# Altium PCB PCB1.PcbDoc (part 1 of 3)
Units mil, origin at the board's own origin, x right, y up, seen from the top; angles counter-clockwise.
Board outline 9239.32 x 6085 mil, 4 copper layers (Top Layer, GND, Power, Bottom Layer), stack 57.48 mil thick; 233 components, 161 nets, 767 pads, 460 vias.
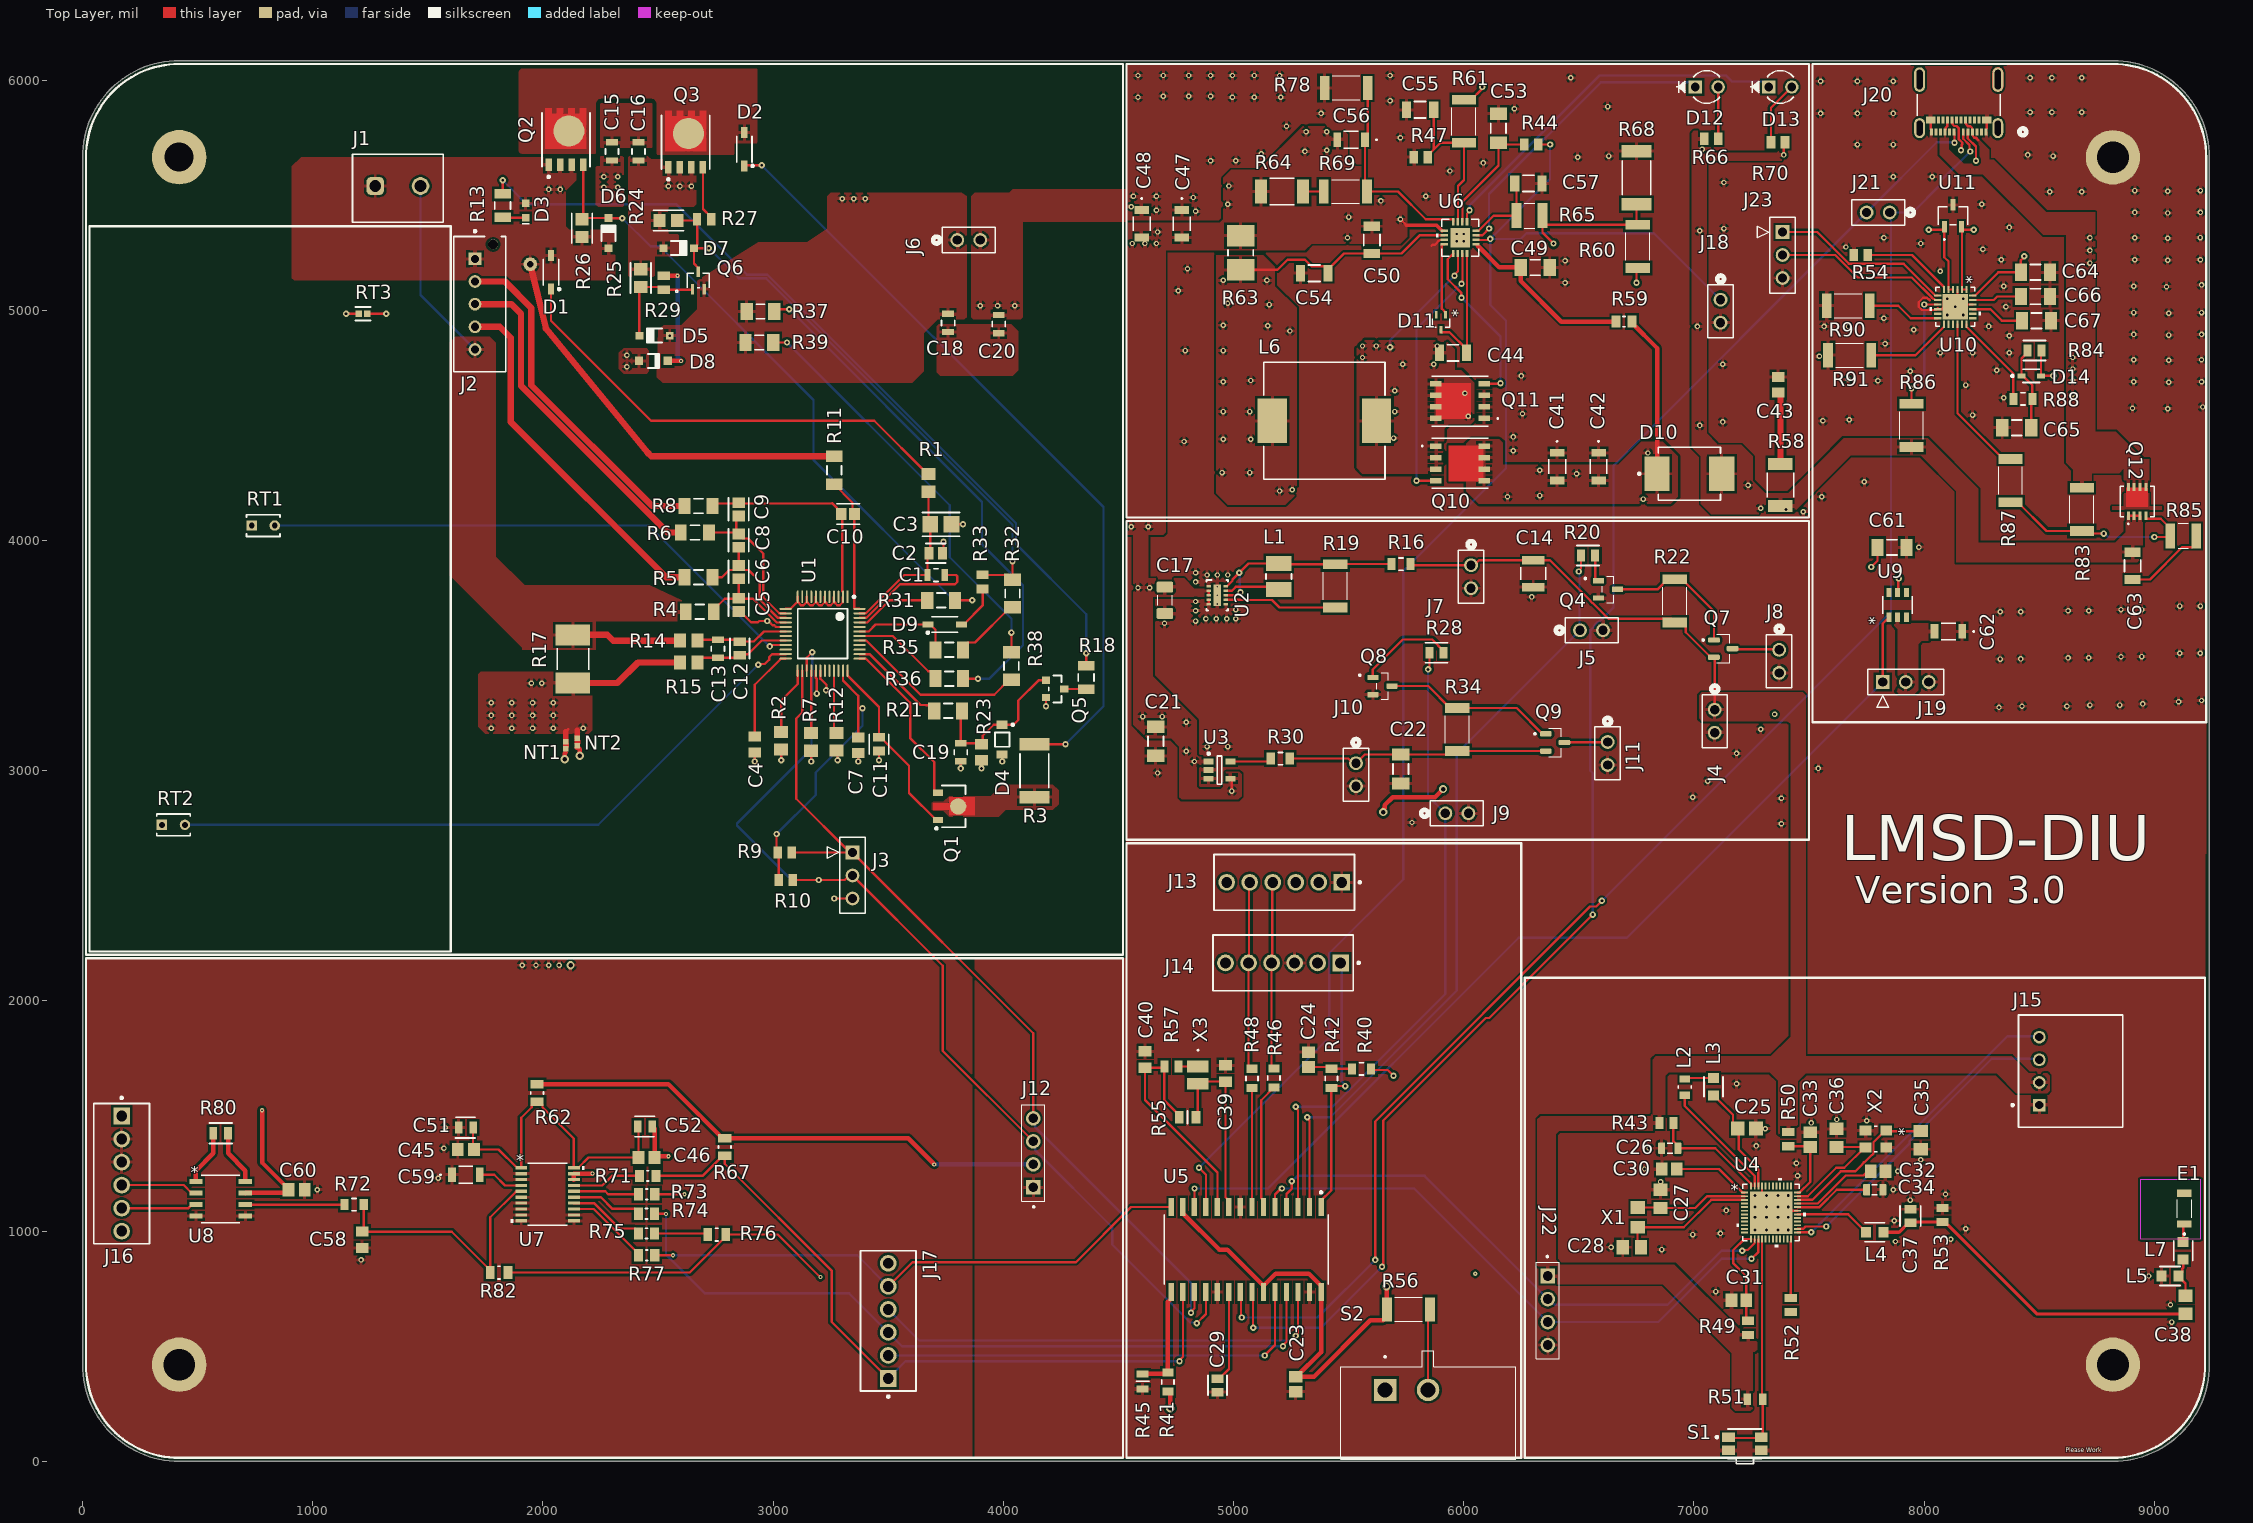
[diagram p0: Top Layer view]
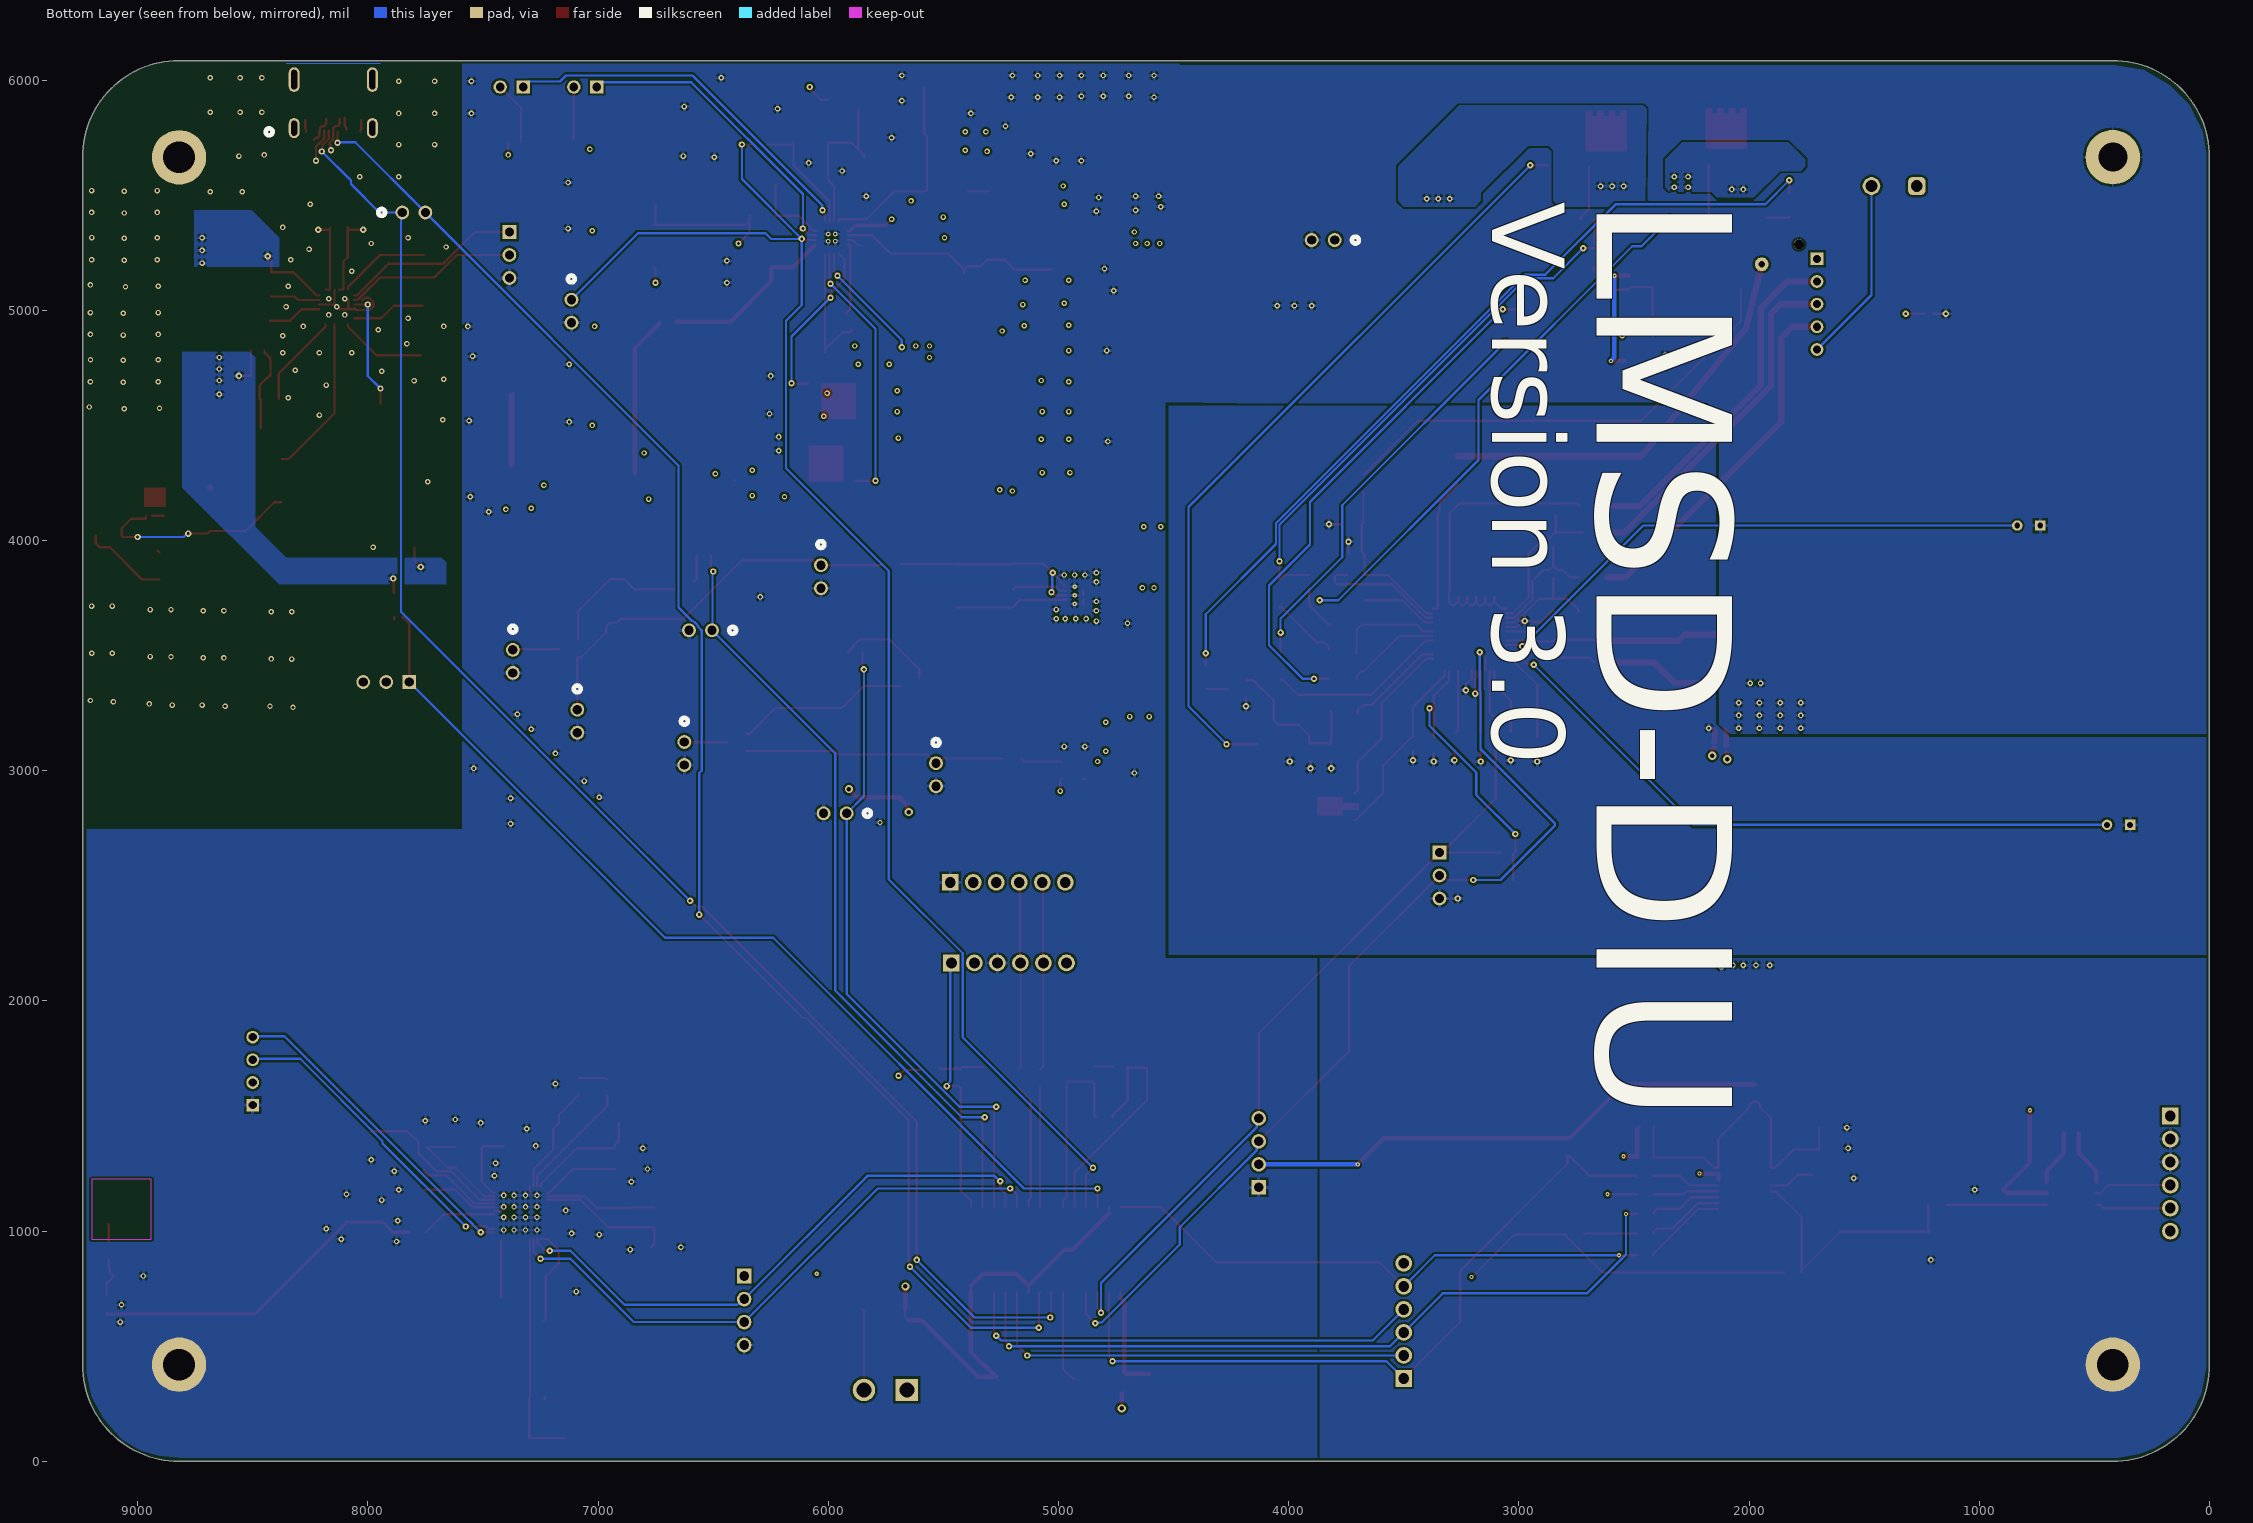
[diagram p1: Bottom Layer view, seen from below]
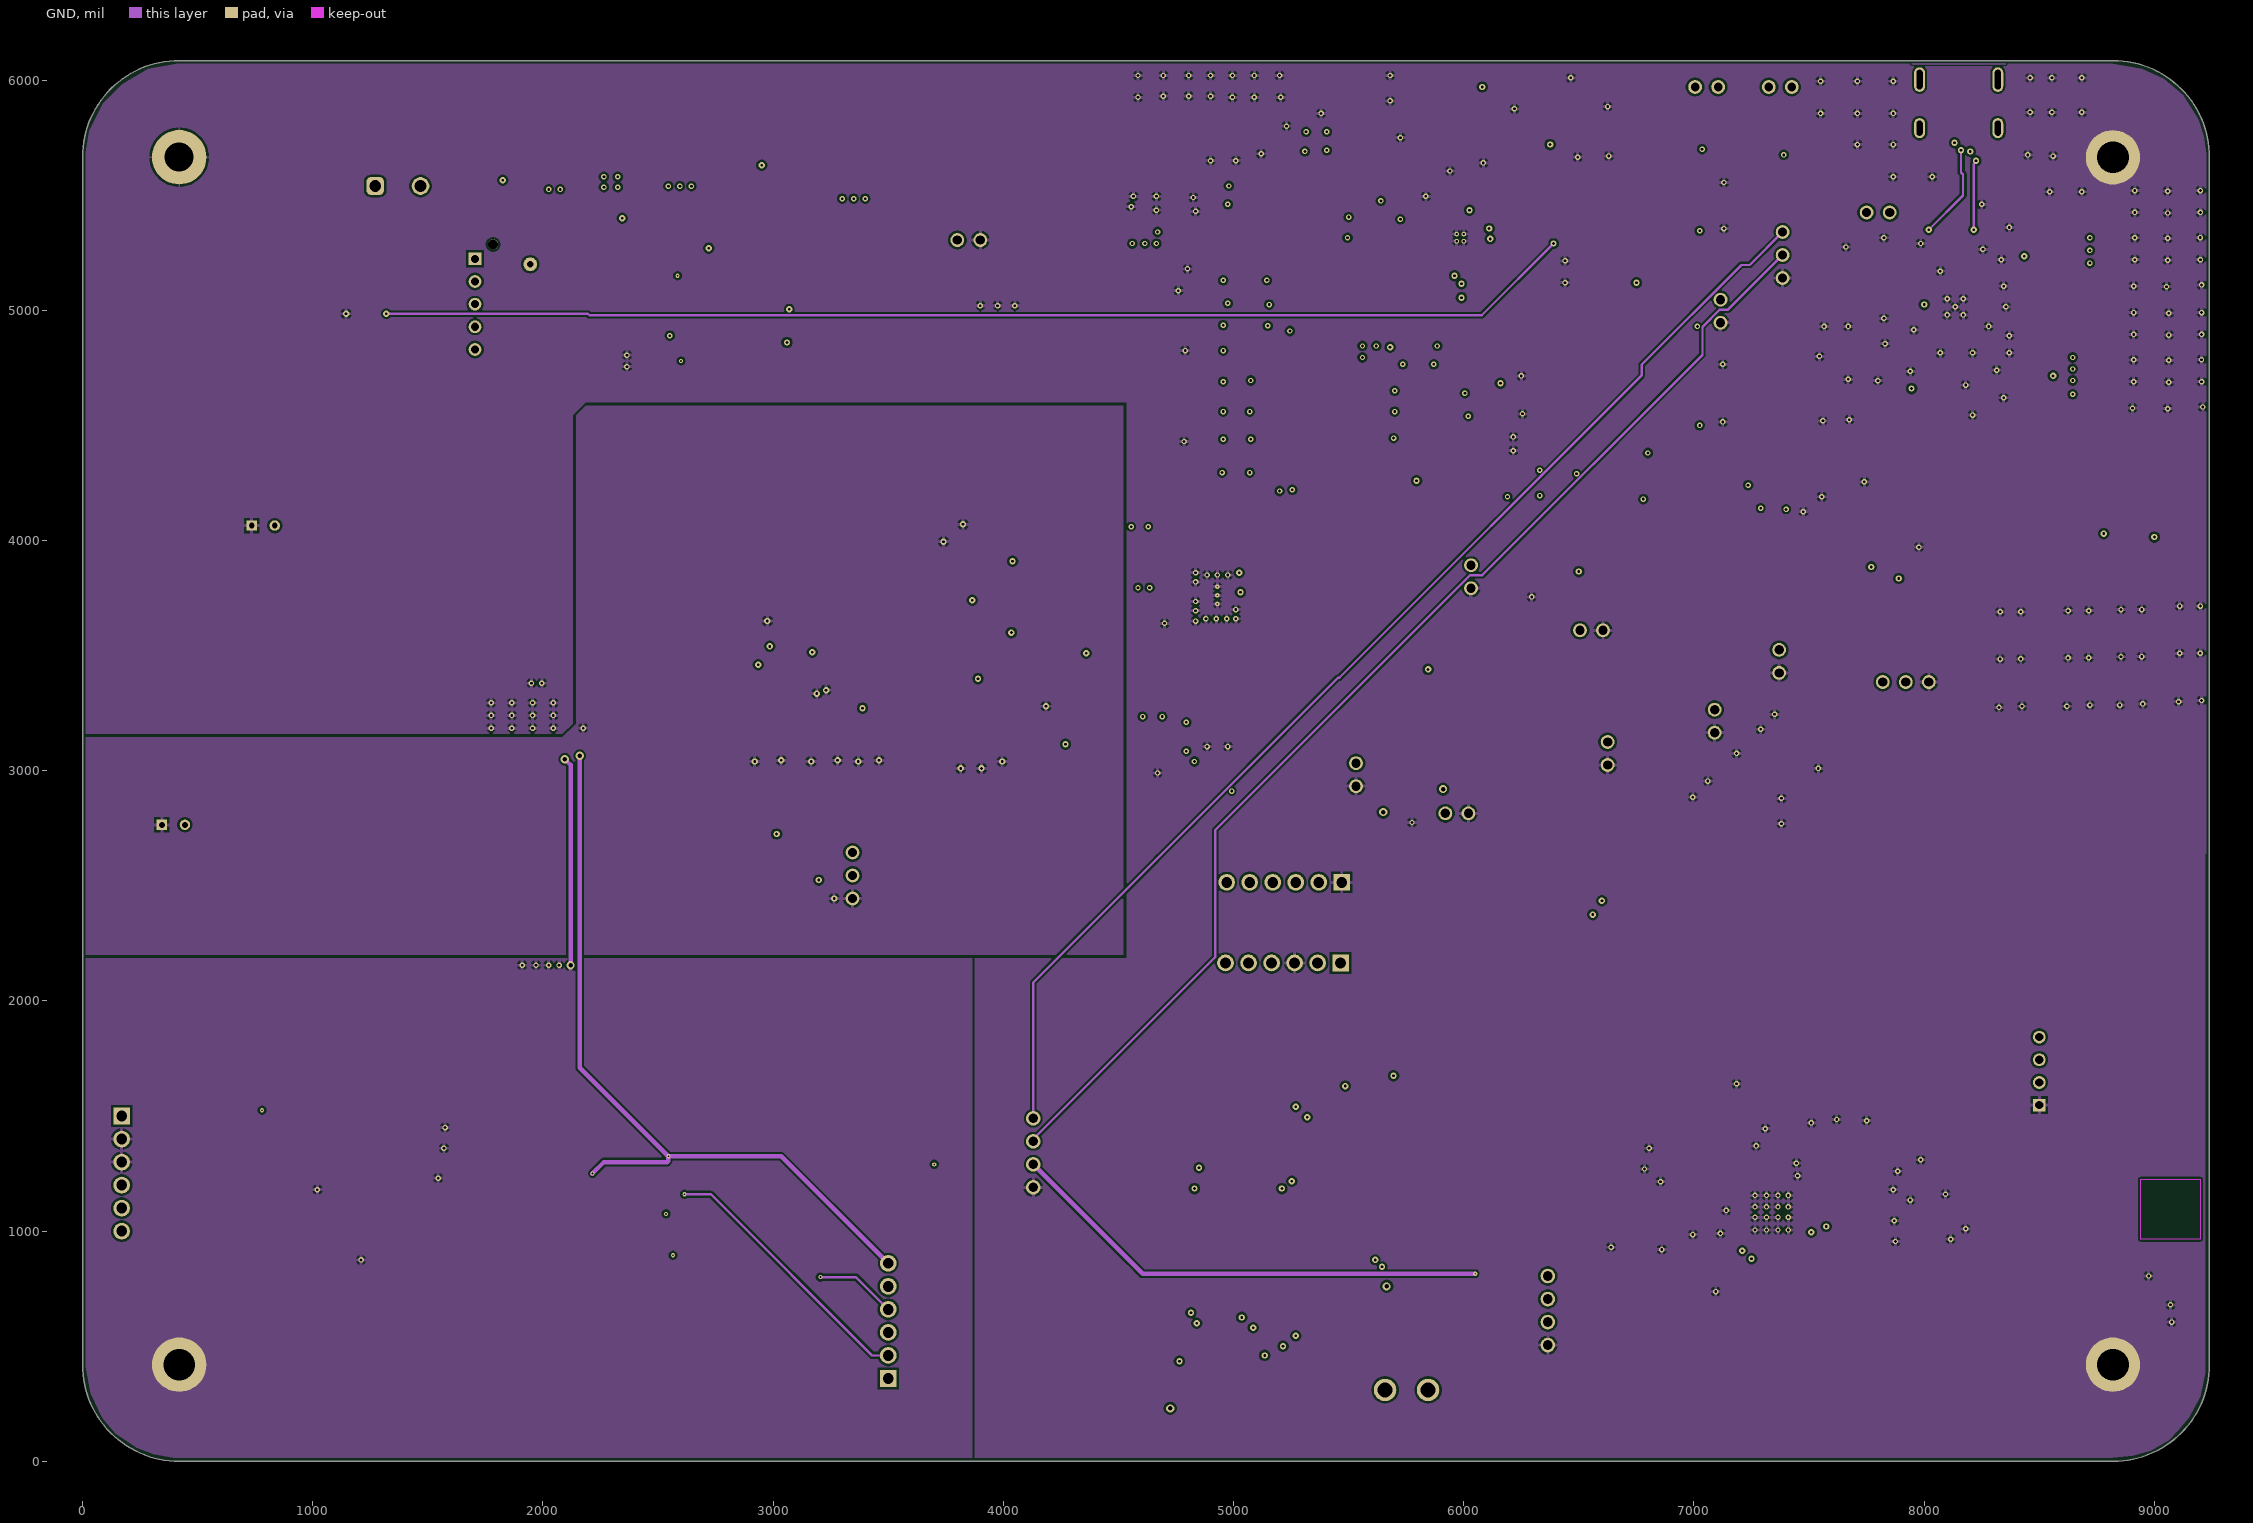
[diagram p2: GND]
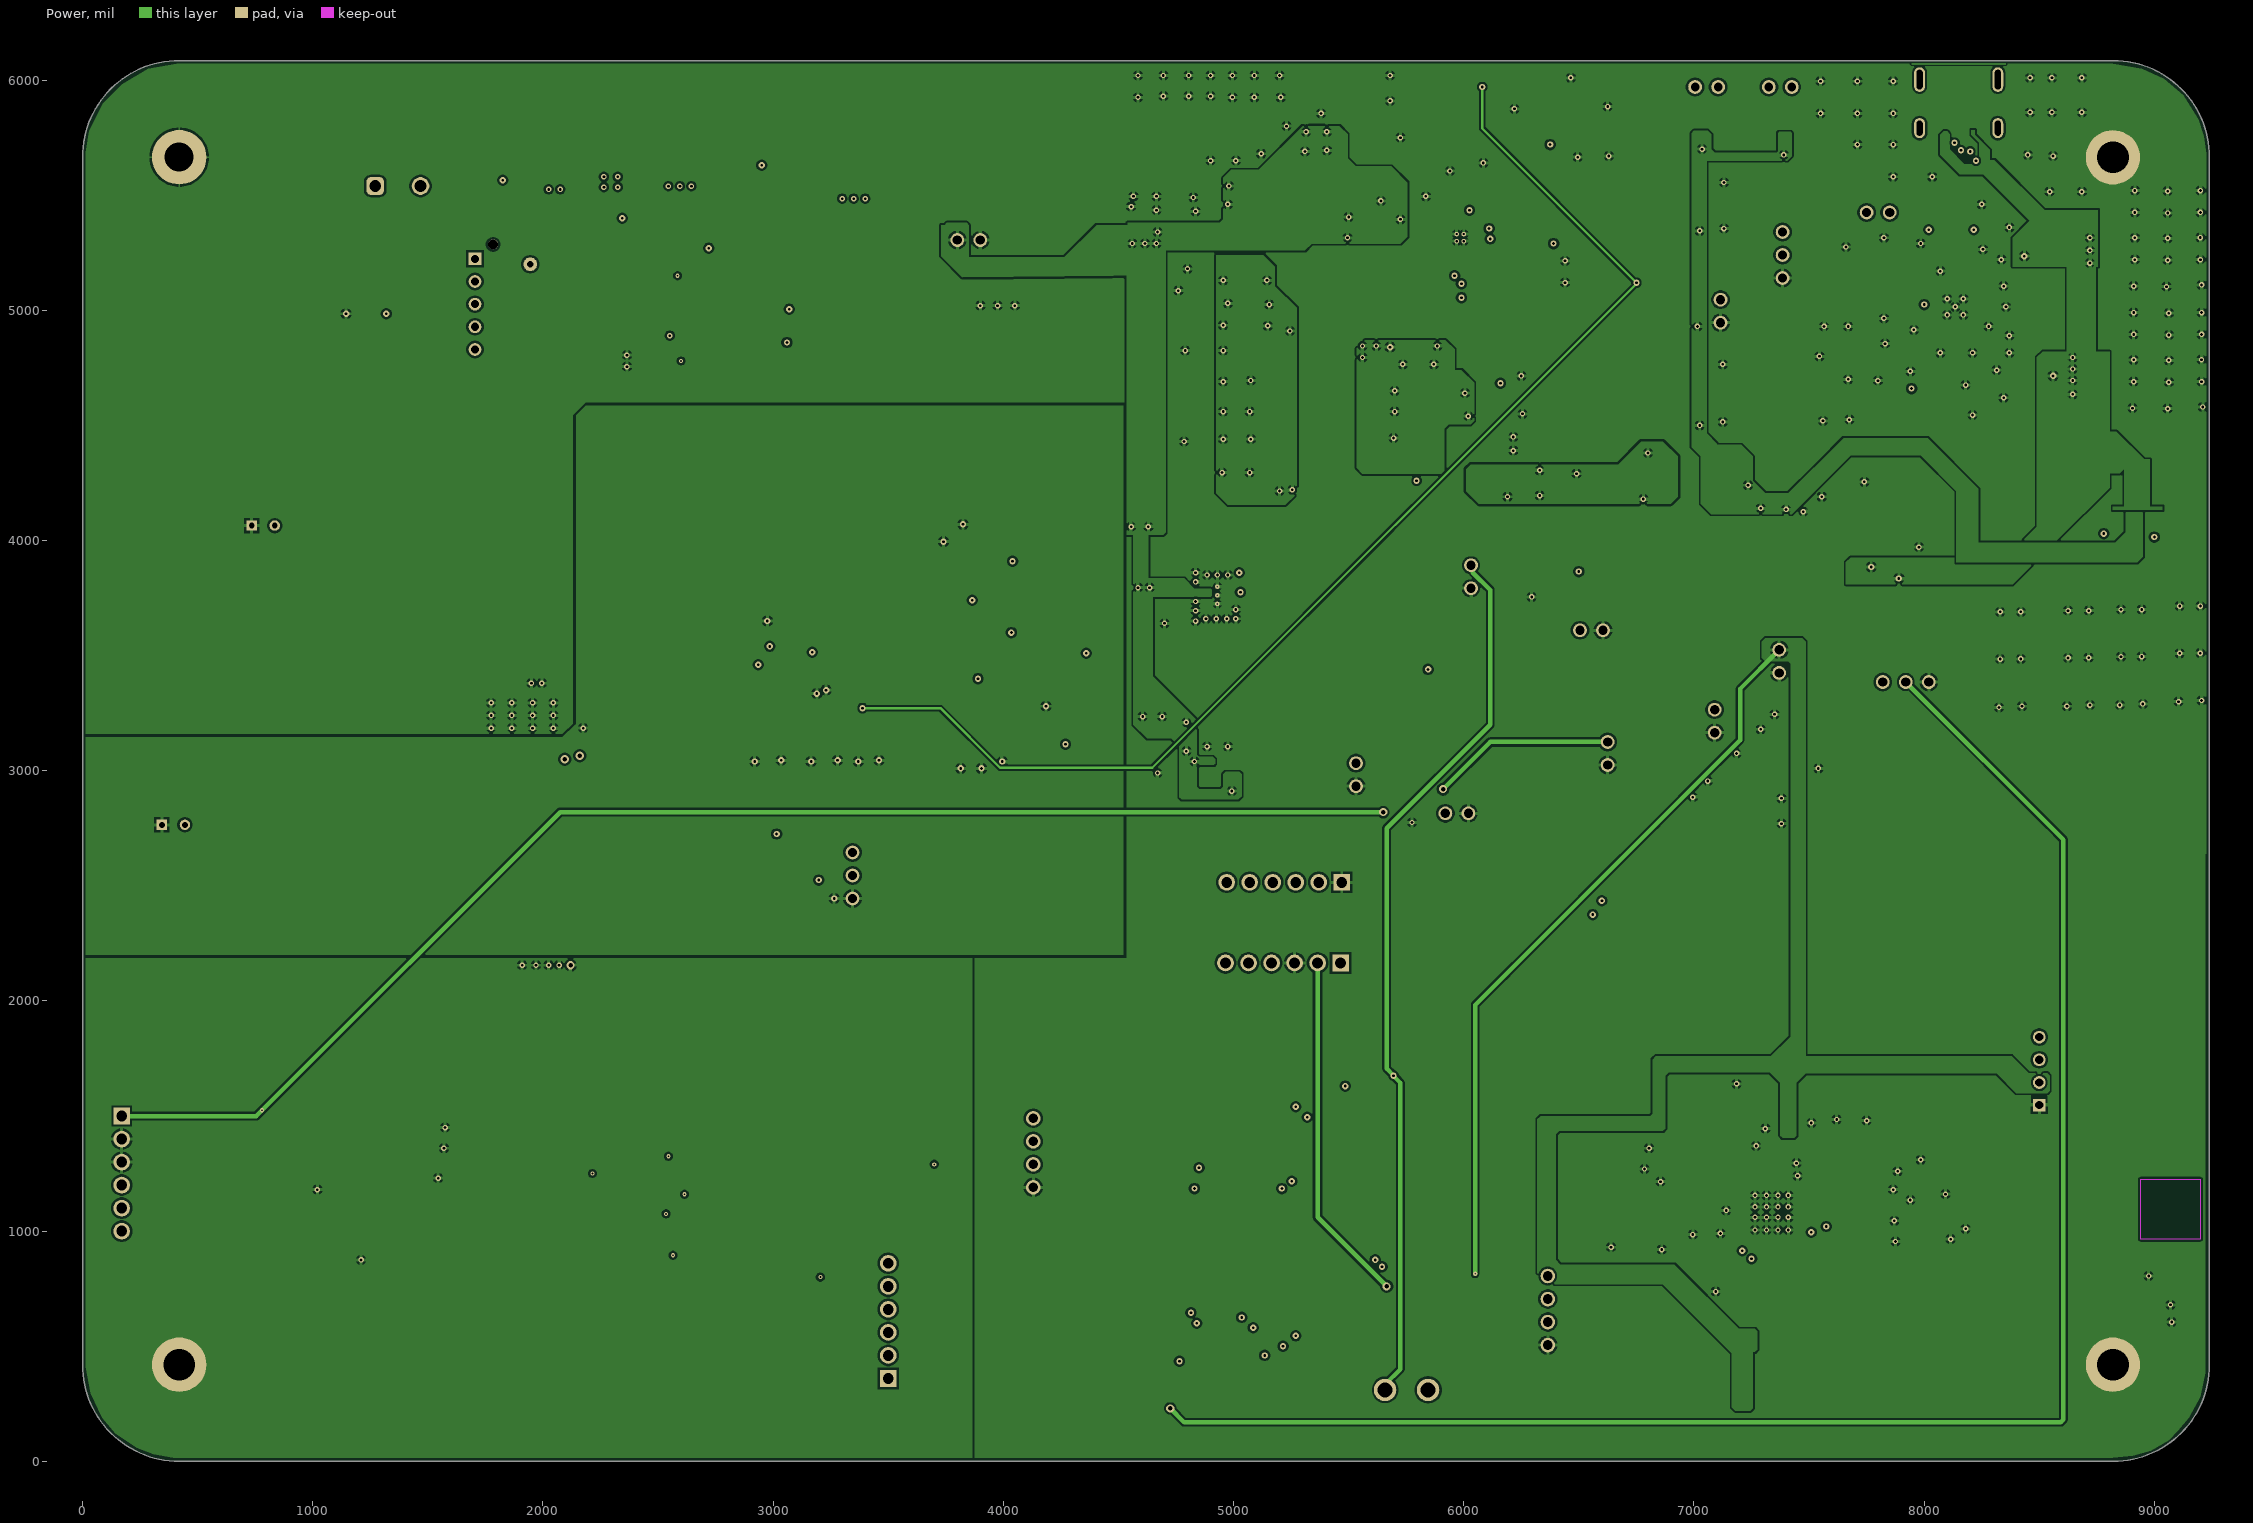
[diagram p3: Power]
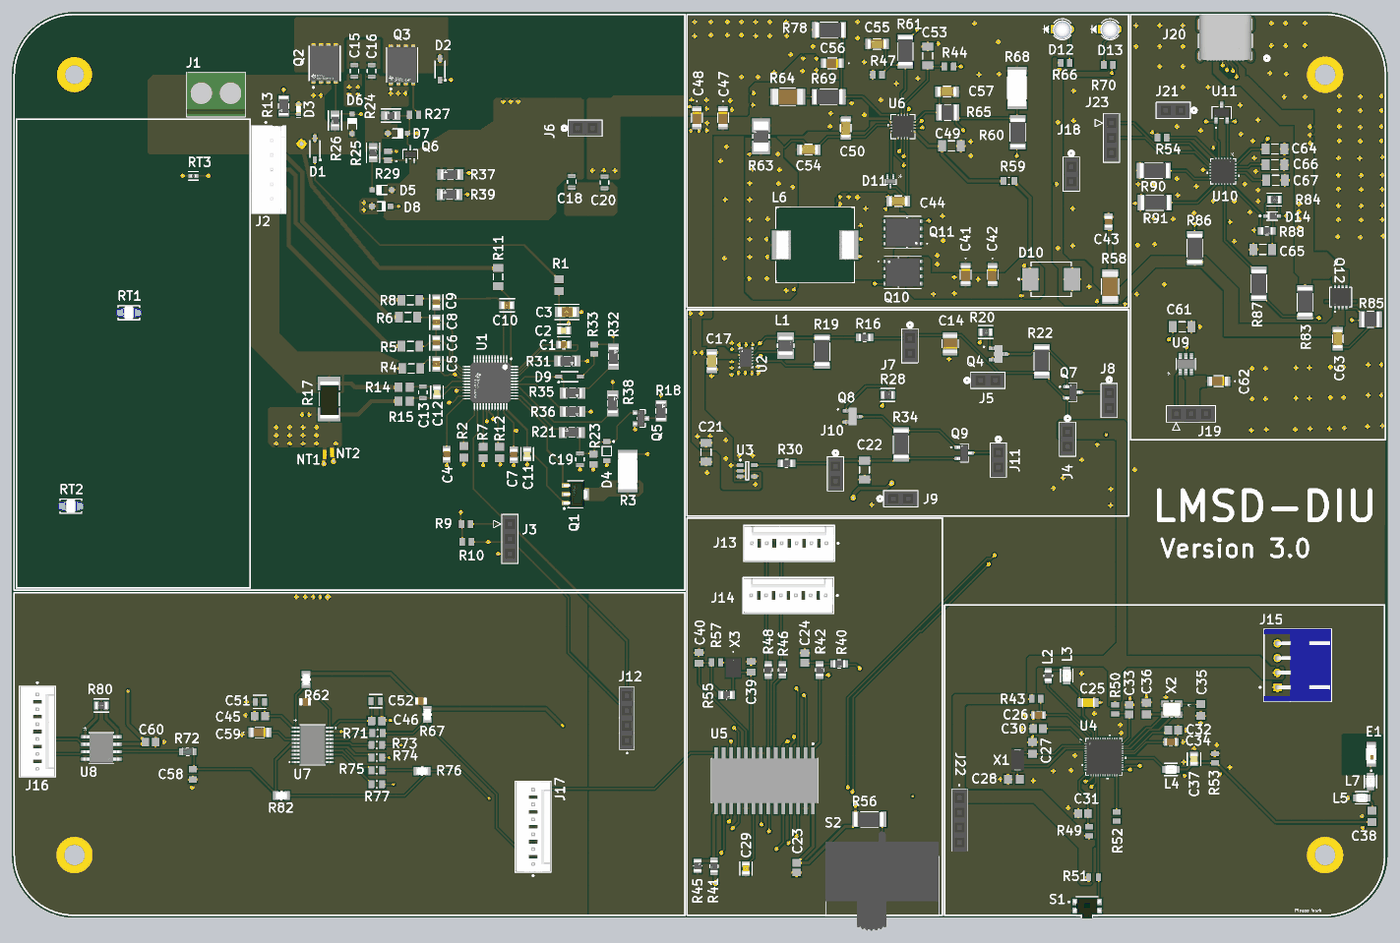
[diagram p6: 3D render of the assembled board from above, using the file's embedded part models]

## Layer stack, top to bottom
Top Solder: solder mask 0.3937, Solder Resist, Dk 3.5
Top Layer: signal copper 1.378
Dielectric 2: prepreg 8.2677, PP-006, Dk 4.1
GND: signal copper 1.378
Dielectric 1: dielectric 35.4331, FR-4, Dk 4.8
Power: signal copper 1.378
Dielectric 3: prepreg 8.2677, PP-006, Dk 4.1
Bottom Layer: signal copper 1.378
Bottom Solder: solder mask 0.3937, Solder Resist, Dk 3.5

## Board outline
420,0 cw(c420,420) 0,420 0,5665 cw(c420,5665) 420,6085 8820,6085 cw(c8819.31,5664.99) 9239.32,5664.3 9239.32,420.7 cw(c8819.31,420.01) 8820,0

## Design rules (kind name [scope] priority, off if disabled: settings)
Clearance [All] p1: gap=10 ignorepadtopadclearanceinfootprint=FALSE except(5: Arc-Arc Arc-Track Arc-SMDPad Arc-Via Track-Track Track-SMDPad Track-Via SMDPad-Via Via-Via; 6: SMDPad-SMDPad; 8: Arc-THPad Arc-Text Track-THPad Track-Text SMDPad-THPad SMDPad-Text THPad-Via THPad-Text Via-Text Fill-Text Poly-Text Region-Text Text-Text)
DiffPairsRouting [All] p1: maxlimit=12 minlimit=8 mostfreqgap=8 toplayer_minwidth=8 toplayer_maxwidth=20 toplayer_prefwidth=8 midlayer1_minwidth=8 midlayer1_maxwidth=20 midlayer1_prefwidth=8 midlayer2_minwidth=8 midlayer2_maxwidth=20 midlayer2_prefwidth=8 bottomlayer_minwidth=8 bottomlayer_maxwidth=20 bottomlayer_prefwidth=8 maxuncoupledlength=50
HoleSize [All] p1: absolutevalues=TRUE maxlimit=248.03 minlimit=7.87 maxpercent=80.000 minpercent=20.000
MinimumSolderMaskSliver [All] p1: minsoldermaskwidth=4
PlaneClearance [All] p1: clearance=8
PlaneConnect [All] p1: planeconnectstyle=Relief reliefexpansion=10 reliefentries=4 reliefconductorwidth=8 reliefairgap=8
PolygonConnect [All] p1: connectstyle=Relief reliefconductorwidth=15 reliefentries=4 polygonreliefangle="90 Angle" airgapwidth=10
RoutingVias [All] p1: holewidth=8 width=18 viastyle="Through Hole" minholewidth=8 minwidth=18 maxholewidth=248.03 maxwidth=40
SilkToSilkClearance [All] p1: silktosilkclearance=4
SilkToSolderMaskClearance [IsPad] p1: minsilkscreentomaskgap=4 clearancetoexposedcopper=TRUE
SolderMaskExpansion [All] p1: expansion=3.94 istentingtop=FALSE
SupplyNets "Schematic Supply Nets_2" [InNet('PACK -')] p1: voltage=0.000
SupplyNets "Schematic Supply Nets_1" [InNet('GNDA')] p2: voltage=0.000
SupplyNets "Schematic Supply Nets" [InNet('GNDD')] p3: voltage=0.000
Width [All] p1: maxlimit=200 minlimit=5 preferedwidth=10 toplayer_maxwidth=100 bottomlayer_maxwidth=100 minimp=50.000000 maximp=50.000000 favimp=50.000000
23 further rules are at their usual default settings.

## Classes and differential pairs
differential pair USB: +USB_P -USB_N

## Components (designator, comment, footprint, x,y, rotation, side; value= is the part's Value field where it differs from the comment)
C1 "0.47 uF" FP-GCM219-0_15-MFG 3707.6,3850 r0 top
C2 "100 pF" FP-C0805C-DN-MFG 3706.39,3945 r0 top
C3 "1 uF" FP-C3216-160-0_2-IPC_B 3728.7,4070 r0 top
C4 "2.2 uF" CAPC2012X135N 2920,3113.98 r90 top
C5 "220 nF" FP-C2012-125-0_2-IPC_C 2850,3721.28 r90 top
C6 "220 nF" FP-C2012-125-0_2-IPC_C 2850,3863.72 r90 top
C7 "1 uF" CAPC2012X135N 3370,3111.02 r90 top
C8 "220 nF" FP-C2012-125-0_2-IPC_C 2850,4001.14 r90 top
C9 "220 nF" FP-C2012-125-0_2-IPC_C 2850,4136.14 r90 top
C10 "220 nF" FP-C2012-125-0_2-IPC_C 3326.14,4115 r0 top
C11 "22 nF" FP-C0805C-DN-MFG 3460,3115 r90 top value="22,000 pF"
C12 "100 pF" FP-C0805C-DN-MFG 2855,3531.38 r270 top
C13 "0.1 uF" FP-GCJ21B-0_3-MFG 2760,3530 r270 top
C14 "22 uF" CAP_CL32_SAM 6301.73,3855.78 r90 top
C15 "0.1 uF" FP-GCJ21B-0_3-MFG 2300,5690 r90 top
C16 "0.1 uF" FP-GCJ21B-0_3-MFG 2415,5690 r270 top
C17 "2.2 uF" CAPC3216X180N 4701.73,3740.12 r90 top
C18 "0.1 uF" FP-GCJ21B-0_3-MFG 3760,4945 r270 top
C19 "0.1 uF" FP-GCJ21B-0_3-MFG 3815,3080 r270 top
C20 "0.1 uF" FP-GCJ21B-0_3-MFG 3980,4940 r90 top
C21 "1uF" CAPC1206(3216)150_M 4661.73,3127.6 r90 top
C22 "1uF" CAPC1206(3216)150_M 5726.73,3007.6 r270 top
C23 "100nF" CAPC2013X145X48NL20T23 5270,335 r90 top
C24 "100nF" CAPC2013X145X48NL20T23 5325,1745 r270 top
C25 "Capacitor 1 uF +/- 10% 25 V 0805" CAPC2013X145X50ML20T25 7229.57,1445 r180 top value=1µF
C26 "Capacitor 4.7µF +/-40% 25V 0805" CAPC0805(2012)145_L 6895,1360 r0 top value=4.7µF
C27 "12pF" CAPC0805(2012)145_M 6855,1140 r270 top
C28 "12pF" CAPC0805(2012)145_M 6730,930 r0 top
C29 "10uF" FP-C0805C106K3PACTU-MFG 4930,330 r270 top
C30 "100nF" CAPC2013X145X48NL20T23 6892.48,1270 r0 top
C31 "100nF" CAPC2013X145X48NL20T23 7195,700 r0 top
C32 "100pF" CAPC2013X145X48NL20T23 7800,1260 r180 top
C33 "100nF" CAPC2013X145X48NL20T23 7505,1397.48 r270 top
C34 "Capacitor 4.7µF +/-40% 25V 0805" CAPC0805(2012)145_L 7785,1180 r180 top value=4.7µF
C35 "12pF" CAPC0805(2012)145_M 7985,1395 r90 top
C36 "12pF" CAPC0805(2012)145_M 7620,1405 r270 top
C37 "0.8pF" FP-CBR08C-MFG 7940,1065.47 r270 top value="0.8 pF"
C38 "1.2pF" CAPC0805(2012)145_M 9135,680 r270 top value=1pF
C39 "4.7pF" CAPC0805(2012)75_N 4965,1685 r270 top
C40 "4.7pF" CAPC0805(2012)75_N 4615,1745.43 r270 top
C41 "10 uF" CAP_CL31_SAM 6405.6,4320.97 r270 top
C42 "10 uF" CAP_CL31_SAM 6585.6,4320.97 r270 top
C43 "2.2 uF" CAPC2012X135N 7365.6,4675.97 r270 top
C44 "0.1 uF" FP-CC1206-1_25-MFG 5953.4,4815.03 r180 top value="100 nF"
C45 "0.1uF" CAPC2013X145X50NL20T25 1665,1355 r180 top
C46 "0.1uF" CAPC2013X145X50NL20T25 2450,1320 r180 top
C47 "10 uF" CAP_CL31_SAM 4775.6,5375.97 r270 top
C48 "10 uF" CAP_CL31_SAM 4600.6,5375.97 r270 top
C49 "1uF" CAPC1206(3216)150_M 6310.6,5185.97 r180 top
C50 "0.1 uF" FP-CC1206-1_25-MFG 5600.6,5305.97 r90 top value="100 nF"
C51 "10uF" FP-CL21B106KOQNNNE-MFG 1665,1450 r0 top
C52 "10uF" FP-CL21B106KOQNNNE-MFG 2443.5,1455 r0 top
C53 "1uF" CAPC1206(3216)150_M 6150.6,5790.97 r270 top
C54 "0.1 uF" FP-CC1206-1_25-MFG 5350.6,5160.97 r180 top value="100 nF"
C55 "0.1 uF" FP-CC1206-1_25-MFG 5810.6,5870.97 r180 top value="100 nF"
C56 "10 uF" CAP_CL31_SAM 5510.6,5740.97 r180 top
C57 "0.1 uF" FP-CC1206-1_25-MFG 6280.6,5550.97 r0 top value="100 nF"
C58 "1uF" CAPC2013X145X50LL20T25 1215,962.44 r90 top
C59 "10 uF" CAP_CL31_SAM 1665,1245 r0 top
C60 "0.1uF" CAPC2013X145X50NL20T25 930,1180 r180 top
C61 "1uF" CAPC1206(3216)150_M 7860,3970 r180 top
C62 "10 uF" CAP_CL31_SAM 8105.04,3605 r180 top
C63 "0.1 uF" FP-CC1206-1_25-MFG 8905,3890 r270 top value="100 nF"
C64 "1uF" CAPC1206(3216)150_M 8482.99,5165 r180 top
C65 "1uF" CAPC1206(3216)150_M 8402.01,4490 r0 top
C66 "1uF" CAPC1206(3216)150_M 8482.99,5060 r180 top
C67 "1uF" CAPC1206(3216)150_M 8487.99,4955 r180 top
D1 "BAT46W-7-F" DIOD-SOD-123-2_V 2035,5165 r270 top